# KiCad board vme-wren.kicad_pcb (continued)
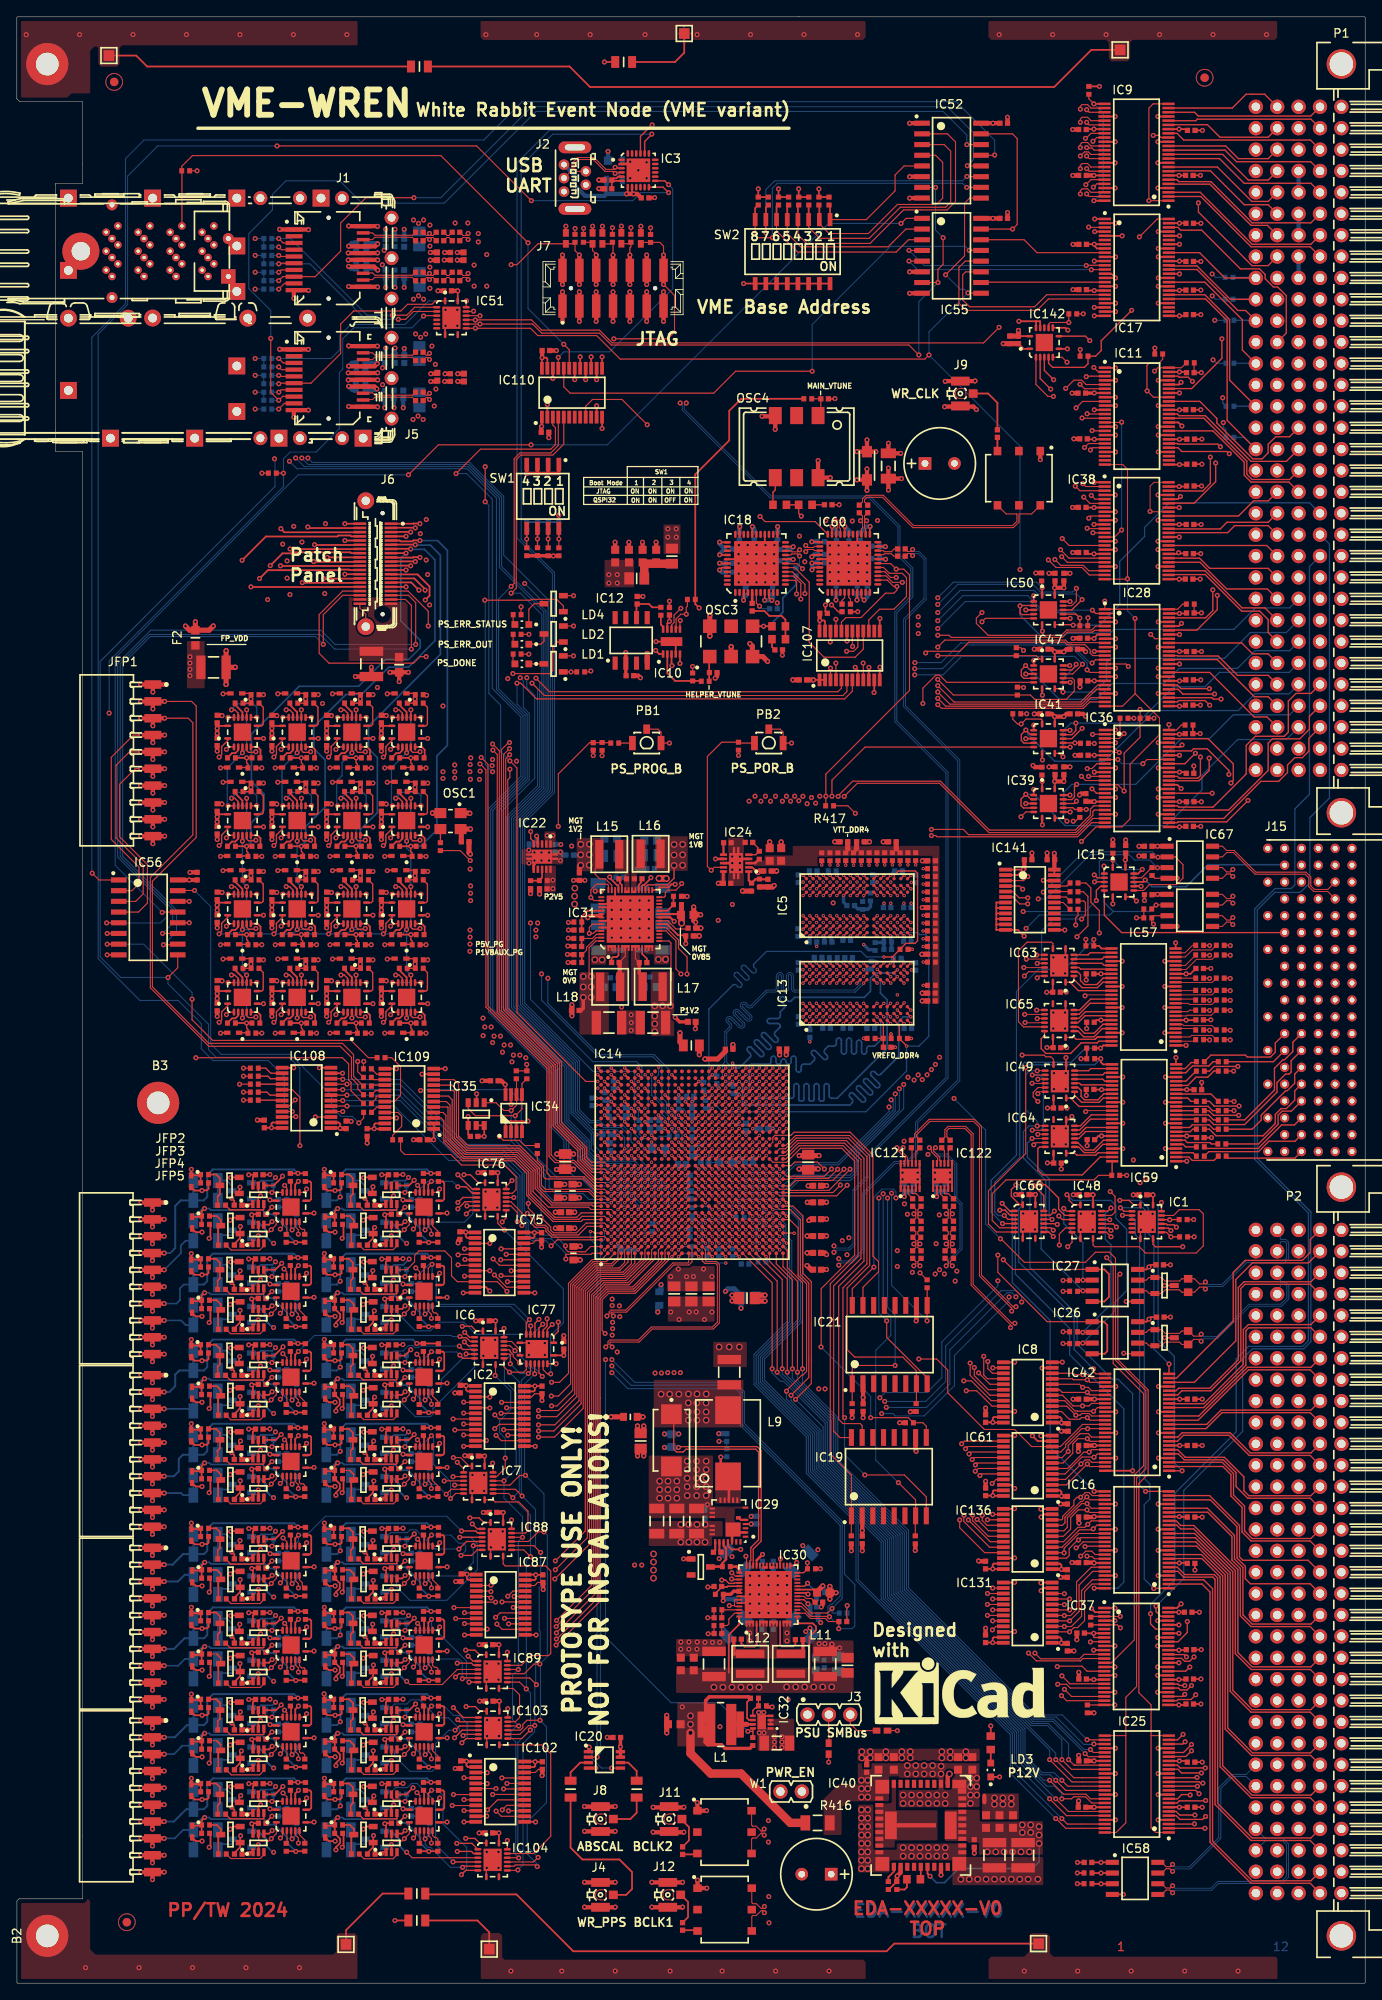
[diagram p0: board, top side]
## Library data of the parts (continued)
C117 = -: Datasheet: \\cern.ch\dfs\Applications\Altium\Datasheets\CAER_PANASONIC-OS-CON_SEPC.pdf; SMD: No; Val: 220uF; Library Ref: Capacitor - polarized; Library Path: SchLib\Capacitors.SchLib; Comment: 220uF; Component Kind: Standard; Component Type: Standard; Pin Count: 2; Footprint Path: PcbLib\Capacitors THD.PcbLib; Footprint Ref: CAPPR350-850X700_a; Status: None; Voltage: 16V; Tolerance: ±20%; Part Description: ESR 0R013, Radial Lead, Conductive Polymer Aluminum Solid Capacitor, (OS-CON, SEPC Series); Manufacturer: PANASONIC; Manufacturer Part Number: 16SEPC220MD; Case: LS3.5 D8 x H7; Mounted: Yes; Socket: No; Sense: No; ComponentHeight: 7mm; HelpURL: \\cern.ch\dfs\Applications\Altium\Datasheets\CAER_PANASONIC-OS-CON_SEPC.pdf; Author: CERN DEM BC; CreateDate: 02/08/21 00:00:00; LatestRevisionDate: 02/08/21 00:00:00; Database Table Name: Capacitors; Library Name: Capacitors THD; Footprint Library: Capacitors THD; License: CC-BY-SA 4.0
C120 C270 C271 C282 C289 C298-C300 = -: Datasheet: \\cern.ch\dfs\Applications\Altium\Datasheets\CC0402_X7R_TDK_C.pdf; Author: CERN DEM JLC; Case: 0402; Comment: 220nF; Component Kind: Standard; Component Type: Standard; CreateDate: 10/25/12 00:00:00; Database Table Name: Capacitors; Footprint Library: Capacitors SMD; Footprint Path: PcbLib\Capacitors SMD.PcbLib; Footprint Ref: CAPC1005X55N; HelpURL: \\cern.ch\dfs\Applications\Altium\Datasheets\CC0402_X7R_TDK_C.pdf; LatestRevisionDate: 10/25/12 00:00:00; Library Name: Capacitors SMD; Library Path: SchLib\Capacitors.SchLib; Library Ref: Capacitor - non polarized; License: CC-BY-SA 4.0; Manufacturer: GENERIC; Manufacturer1 ComponentHeight: 0.55mm; Manufacturer1 Example: TDK; Manufacturer1 Part Number: C1005X7R1C224K050; Mounted: Yes; Part Description: SMD Multilayer Chip Ceramic Capacitor; Pin Count: 2; SMD: Yes; Sense: No; Socket: No; Status: Preferred; TC: X7R; Tolerance: ±10%; Val: 220nF; Voltage: 16V
C126 = -: Datasheet: \\cern.ch\dfs\Applications\Altium\Datasheets\CC0402_C0G_KEMET_(Commercial Grade).pdf; Author: CERN DEM JLC; Case: 0402; Comment: 15pF; Component Kind: Standard; Component Type: Standard; CreateDate: 12/03/07 00:00:00; Database Table Name: Capacitors; Footprint Library: Capacitors SMD; Footprint Path: PcbLib\Capacitors SMD.PcbLib; Footprint Ref: CAPC1005X55N; HelpURL: \\cern.ch\dfs\Applications\Altium\Datasheets\CC0402_C0G_KEMET_(Commercial Grade).pdf; LatestRevisionDate: 04/22/15 00:00:00; Library Name: Capacitors SMD; Library Path: SchLib\Capacitors.SchLib; Library Ref: Capacitor - non polarized; License: CC-BY-SA 4.0; Manufacturer: GENERIC; Manufacturer1 ComponentHeight: 0.55mm; Manufacturer1 Example: KEMET; Manufacturer1 Part Number: C0402C150J5GACTU; Mounted: Yes; Part Description: SMD Multilayer Chip Ceramic Capacitor; Pin Count: 2; SMD: Yes; Sense: No; Socket: No; Status: Preferred; TC: C0G/NP0; Tolerance: ±5%; Val: 15pF; Voltage: 50V
C154 C284 C312 C315 = -: Datasheet: \\cern.ch\dfs\Applications\Altium\Datasheets\CC1210_MURATA_GRM32ER60J227ME05L.pdf; Author: CERN DEM JLC; Case: 1210; Comment: 220uF; Component Kind: Standard; Component Type: Standard; CreateDate: 11/19/18 00:00:00; Database Table Name: Capacitors; Footprint Library: Capacitors SMD; Footprint Path: PcbLib\Capacitors SMD.PcbLib; Footprint Ref: CAPC3225X280N; HelpURL: \\cern.ch\dfs\Applications\Altium\Datasheets\CC1210_MURATA_GRM32ER60J227ME05L.pdf; LatestRevisionDate: 11/19/18 00:00:00; Library Name: Capacitors SMD; Library Path: SchLib\Capacitors.SchLib; Library Ref: Capacitor - non polarized; License: CC-BY-SA 4.0; Manufacturer: GENERIC; Manufacturer1 ComponentHeight: 2.8mm; Manufacturer1 Example: MURATA; Manufacturer1 Part Number: GRM32ER60J227ME05L; Mounted: Yes; Part Description: SMD Multilayer Chip Ceramic Capacitor; Pin Count: 2; SMD: Yes; Sense: No; Socket: No; Status: Preferred; TC: X5R; Tolerance: ±20%; Val: 220uF; Voltage: 6.3V
C164 C190 C210 C381 C383 C385 C387 C397 C403 C413 C419 C425 C435 C441 C447 C453 C463 C497 C503 C509 C518 C520 C522 C524 C528 C530 C532 C534 C538 C540 C542 C544 = -: Datasheet: \\cern.ch\dfs\Applications\Altium\Datasheets\CC0402_X5R_TDK_C.pdf; TC: X5R; SMD: Yes; Val: 4.7uF; Library Ref: Capacitor - non polarized; Library Path: SchLib\Capacitors.SchLib; Comment: 4.7uF; Component Kind: Standard; Component Type: Standard; Pin Count: 2; Footprint Path: PcbLib\Capacitors SMD.PcbLib; Footprint Ref: CAPC1005X55N; Status: Preferred; Voltage: 6.3V; Tolerance: ±20%; Part Description: SMD Multilayer Chip Ceramic Capacitor; Manufacturer: GENERIC; Case: 0402; Mounted: Yes; Socket: No; Sense: No; Manufacturer1 Example: TDK; Manufacturer1 Part Number: C1005X5R0J475M050; Manufacturer1 ComponentHeight: 0.65mm; HelpURL: \\cern.ch\dfs\Applications\Altium\Datasheets\CC0402_X5R_TDK_C.pdf; Author: CERN DEM JLC; CreateDate: 03/03/15 00:00:00; LatestRevisionDate: 03/03/15 00:00:00; Database Table Name: Capacitors; Library Name: Capacitors SMD; Footprint Library: Capacitors SMD; License: CC-BY-SA 4.0
C180 C181 C184 C185 C200 C201 C204 C205 = -: Datasheet: \\cern.ch\dfs\Applications\Altium\Datasheets\CC0402_X7R_PHYCOMP.pdf; Author: CERN DEM JLC; Case: 0402; Comment: 68nF; Component Kind: Standard; Component Type: Standard; CreateDate: 12/03/07 00:00:00; Database Table Name: Capacitors; Footprint Library: Capacitors SMD; Footprint Path: PcbLib\Capacitors SMD.PcbLib; Footprint Ref: CAPC1005X55N; HelpURL: \\cern.ch\dfs\Applications\Altium\Datasheets\CC0402_X7R_PHYCOMP.pdf; LatestRevisionDate: 12/03/07 00:00:00; Library Name: Capacitors SMD; Library Path: SchLib\Capacitors.SchLib; Library Ref: Capacitor - non polarized; License: CC-BY-SA 4.0; Manufacturer: GENERIC; Manufacturer1 ComponentHeight: 0.55mm; Manufacturer1 Example: PHYCOMP; Manufacturer1 Part Number: 223878715647; Mounted: Yes; Part Description: SMD Multilayer Chip Ceramic Capacitor; Pin Count: 2; SMD: Yes; Sense: No; Socket: No; Status: Not Recommended; TC: X7R; Tolerance: ±10%; Val: 68nF; Voltage: 16V
C188 C193 C196 C197 C320-C322 = -: Datasheet: \\cern.ch\dfs\Applications\Altium\Datasheets\CC0603_X5R_TDK_C.pdf; TC: X5R; SMD: Yes; Val: 22uF; Library Ref: Capacitor - non polarized; Library Path: SchLib\Capacitors.SchLib; Comment: 22uF; Component Kind: Standard; Component Type: Standard; Pin Count: 2; Footprint Path: PcbLib\Capacitors SMD.PcbLib; Footprint Ref: CAPC1608X90N; Status: None; Voltage: 10V; Tolerance: ±20%; Part Description: SMD Multilayer Chip Ceramic Capacitor; Manufacturer: GENERIC; Case: 0603; Mounted: Yes; Socket: No; Sense: No; Manufacturer1 Example: TDK; Manufacturer1 Part Number: C1608X5R1A226M080; Manufacturer1 ComponentHeight: 0.9mm; HelpURL: \\cern.ch\dfs\Applications\Altium\Datasheets\CC0603_X5R_TDK_C.pdf; Author: CERN DEM BC; CreateDate: 12/03/20 00:00:00; LatestRevisionDate: 12/03/20 00:00:00; Database Table Name: Capacitors; Library Name: Capacitors SMD; Footprint Library: Capacitors SMD; License: CC-BY-SA 4.0
C206 = -: Datasheet: \\cern.ch\dfs\Applications\Altium\Datasheets\CAER_PANASONIC-OS-CON_SEPC.pdf; Description: 220uF; SMD: No; Library Ref: Capacitor - polarized; Library Path: SchLib\Capacitors.SchLib; Comment: 220uF; Component Kind: Standard; Component Type: Standard; Pin Count: 2; Footprint Path: PcbLib\Capacitors THD.PcbLib; Footprint Ref: CAPPR350-850X700_a; Status: None; Voltage: 16V; Tolerance: ±20%; Part Description: ESR 0R013, Radial Lead, Conductive Polymer Aluminum Solid Capacitor, (OS-CON, SEPC Series); Manufacturer: PANASONIC; Manufacturer Part Number: 16SEPC220MD; Case: LS3.5 D8 x H7; Mounted: Yes; Socket: No; Sense: No; ComponentHeight: 7mm; HelpURL: \\cern.ch\dfs\Applications\Altium\Datasheets\CAER_PANASONIC-OS-CON_SEPC.pdf; Author: CERN DEM BC; CreateDate: 02/08/21 00:00:00; LatestRevisionDate: 02/08/21 00:00:00; Database Table Name: Capacitors; Library Name: Capacitors THD; Footprint Library: Capacitors THD; License: CC-BY-SA 4.0
C211 C274 C323 C490 = -: Datasheet: \\cern.ch\dfs\Applications\Altium\Datasheets\CC0402_X5R_TDK_C.pdf; TC: X5R; SMD: Yes; Val: 1uF; Library Ref: Capacitor - non polarized; Library Path: SchLib\Capacitors.SchLib; Comment: 1uF; Component Kind: Standard; Component Type: Standard; Pin Count: 2; Footprint Path: PcbLib\Capacitors SMD.PcbLib; Footprint Ref: CAPC1005X55N; Status: Preferred; Voltage: 25V; Tolerance: ±10%; Part Description: SMD Multilayer Chip Ceramic Capacitor; Manufacturer: GENERIC; Case: 0402; Mounted: Yes; Socket: No; Sense: No; Manufacturer1 Example: TDK; Manufacturer1 Part Number: C1005X5R1E105K050; Manufacturer1 ComponentHeight: 0.55mm; HelpURL: \\cern.ch\dfs\Applications\Altium\Datasheets\CC0402_X5R_TDK_C.pdf; Author: CERN DEM BC; CreateDate: 02/17/20 00:00:00; LatestRevisionDate: 02/17/20 00:00:00; Database Table Name: Capacitors; Library Name: Capacitors SMD; Footprint Library: Capacitors SMD; License: CC-BY-SA 4.0
C212 C319 C369 C545 = -: Datasheet: \\cern.ch\dfs\Applications\Altium\Datasheets\CC1210_MURATA_GRM32ER60J227ME05L.pdf; TC: X5R; SMD: Yes; Val: 220uF; Library Ref: Capacitor - non polarized; Library Path: SchLib\Capacitors.SchLib; Comment: 220uF; Component Kind: Standard; Component Type: Standard; Pin Count: 2; Footprint Path: PcbLib\Capacitors SMD.PcbLib; Footprint Ref: CAPC3225X280N; Status: Preferred; Voltage: 6.3V; Tolerance: ±20%; Part Description: SMD Multilayer Chip Ceramic Capacitor; Manufacturer: GENERIC; Case: 1210; Mounted: Yes; Socket: No; Sense: No; Manufacturer1 Example: MURATA; Manufacturer1 Part Number: GRM32ER60J227ME05L; Manufacturer1 ComponentHeight: 2.8mm; HelpURL: \\cern.ch\dfs\Applications\Altium\Datasheets\CC1210_MURATA_GRM32ER60J227ME05L.pdf; Author: CERN DEM JLC; CreateDate: 11/19/18 00:00:00; LatestRevisionDate: 11/19/18 00:00:00; Database Table Name: Capacitors; Library Name: Capacitors SMD; Footprint Library: Capacitors SMD; License: CC-BY-SA 4.0
C231 C276 C285-C288 C290 C311 C314 C317 = -: Datasheet: \\cern.ch\dfs\Applications\Altium\Datasheets\CC0402_X5R_TDK_C.pdf; Author: CERN DEM BC; Case: 0402; Comment: 2.2uF; Component Kind: Standard; Component Type: Standard; CreateDate: 02/08/21 00:00:00; Database Table Name: Capacitors; Footprint Library: Capacitors SMD; Footprint Path: PcbLib\Capacitors SMD.PcbLib; Footprint Ref: CAPC1005X55N; HelpURL: \\cern.ch\dfs\Applications\Altium\Datasheets\CC0402_X5R_TDK_C.pdf; LatestRevisionDate: 02/08/21 00:00:00; Library Name: Capacitors SMD; Library Path: SchLib\Capacitors.SchLib; Library Ref: Capacitor - non polarized; License: CC-BY-SA 4.0; Manufacturer: GENERIC; Manufacturer1 ComponentHeight: 0.55mm; Manufacturer1 Example: TDK; Manufacturer1 Part Number: C1005X5R1C225K050; Mounted: Yes; Part Description: SMD Multilayer Chip Ceramic Capacitor; Pin Count: 2; SMD: Yes; Sense: No; Socket: No; Status: Preferred; TC: X5R; Tolerance: ±10%; Val: 2.2uF; Voltage: 16V
C260 = -: Datasheet: \\cern.ch\dfs\Applications\Altium\Datasheets\CC0402_C0G_KEMET_(Commercial Grade).pdf; Author: CERN DEM JLC; Case: 0402; Comment: 100pF; Component Kind: Standard; Component Type: Standard; CreateDate: 12/03/07 00:00:00; Database Table Name: Capacitors; Footprint Library: Capacitors SMD; Footprint Path: PcbLib\Capacitors SMD.PcbLib; Footprint Ref: CAPC1005X55N; HelpURL: \\cern.ch\dfs\Applications\Altium\Datasheets\CC0402_C0G_KEMET_(Commercial Grade).pdf; LatestRevisionDate: 04/22/15 00:00:00; Library Name: Capacitors SMD; Library Path: SchLib\Capacitors.SchLib; Library Ref: Capacitor - non polarized; License: CC-BY-SA 4.0; Manufacturer: GENERIC; Manufacturer1 ComponentHeight: 0.55mm; Manufacturer1 Example: KEMET; Manufacturer1 Part Number: C0402C101J5GACTU; Mounted: Yes; Part Description: SMD Multilayer Chip Ceramic Capacitor; Pin Count: 2; SMD: Yes; Sense: No; Socket: No; Status: Preferred; TC: C0G/NP0; Tolerance: ±5%; Val: 100pF; Voltage: 50V
C273 = -: Datasheet: \\cern.ch\dfs\Applications\Altium\Datasheets\CAEM_PANASONIC_EEFGX.pdf; Author: CERN DEM MR; Comment: 470uF; Component Kind: Standard; Component Type: Standard; ComponentHeight: 2mm; CreateDate: 05/26/16 00:00:00; Database Table Name: Capacitors; Footprint Library: Capacitors SMD; Footprint Path: PcbLib\Capacitors SMD.PcbLib; Footprint Ref: CAPMP7343X200N; HelpURL: \\cern.ch\dfs\Applications\Altium\Datasheets\CAEM_PANASONIC_EEFGX.pdf; LatestRevisionDate: 03/14/17 00:00:00; Library Name: Capacitors SMD; Library Path: SchLib\Capacitors.SchLib; Library Ref: Capacitor - polarized; License: CC-BY-SA 4.0; Manufacturer: PANASONIC; Manufacturer Part Number: EEFGX0D471R; Mounted: Yes; Part Description: ESR 0R003 Polymer Aluminum Electrolytic Capacitor; Pin Count: 2; SMD: Yes; Sense: No; Socket: No; Status: None; Tolerance: ±20%; Val: 470uF; Voltage: 2V
C332 C334 C336 C338 = -: Datasheet: \\cern.ch\dfs\Applications\Altium\Datasheets\CC1206_X5R_TDK_C.pdf; Author: CERN DEM WB; Case: 1206; Comment: 22uF; Component Kind: Standard; Component Type: Standard; CreateDate: 07/25/18 00:00:00; Database Table Name: Capacitors; Footprint Library: Capacitors SMD; Footprint Path: PcbLib\Capacitors SMD.PcbLib; Footprint Ref: CAPC3216X180N; HelpURL: \\cern.ch\dfs\Applications\Altium\Datasheets\CC1206_X5R_TDK_C.pdf; LatestRevisionDate: 07/25/18 00:00:00; Library Name: Capacitors SMD; Library Path: SchLib\Capacitors.SchLib; Library Ref: Capacitor - non polarized; License: CC-BY-SA 4.0; Manufacturer: GENERIC; Manufacturer1 ComponentHeight: 1.8mm; Manufacturer1 Example: TDK; Manufacturer1 Part Number: C3216X5R1E226M160; Mounted: Yes; Part Description: SMD Multilayer Chip Ceramic Capacitor; Pin Count: 2; SMD: Yes; Sense: No; Socket: No; Status: None; TC: X5R; Tolerance: ±20%; Val: 22uF; Voltage: 25V
Cage1 = -: Datasheet: \\cern.ch\dfs\Applications\Altium\Datasheets\TYCO_1761014-3.pdf; Description: SFP; SMD: No; Family: SFP; Library Ref: SFP 1x2 Cage (30Pins); Library Path: SchLib\Connectors.SchLib; Component Kind: Standard; Component Type: Standard; Pin Count: 30; Footprint Path: PcbLib\TYCO THD.PcbLib; Mounted: Yes; Socket: No; PressFit: Yes; Sense: No; Status: None; Part Description: 1x2 Press Fit SFP Ganged (Single Row) Cage; Manufacturer: TYCO ELECTRONICS; Manufacturer Part Number: 1761014-3; ComponentHeight: 9.7mm; HelpURL: \\cern.ch\dfs\Applications\Altium\Datasheets\TYCO_1761014-3.pdf; Author: CERN DEM JLC; CreateDate: 10/23/17 00:00:00; LatestRevisionDate: 10/23/17 00:00:00; Database Table Name: Connectors; Library Name: TYCO; Footprint Library: TYCO THD; License: CC-BY-SA 4.0
Cage3 = -: Datasheet: \\cern.ch\dfs\Applications\Altium\Datasheets\MOLEX_74737-0009.pdf; Description: SFP+; Library Ref: SFP+ 1x1 Cage (20Pins); Library Path: SchLib\Connectors.SchLib; Component Kind: Standard; Component Type: Standard; Pin Count: 20; Footprint Path: PcbLib\MOLEX THD.PcbLib; Family: SFP+; Mounted: Yes; Socket: No; SMD: No; PressFit: Yes; Sense: No; Status: None; Part Description: 1x1 Press Fit Cage for Use with SFP Connector (Small Form-factor Pluggable); Manufacturer: MOLEX; Manufacturer Part Number: 74737-0009; ComponentHeight: 9.7mm; HelpURL: \\cern.ch\dfs\Applications\Altium\Datasheets\MOLEX_74737-0009.pdf; Author: CERN DEM MR; CreateDate: 01/26/16 00:00:00; LatestRevisionDate: 01/26/16 00:00:00; Database Table Name: Connectors; Library Name: MOLEX; Footprint Library: MOLEX THD; License: CC-BY-SA 4.0
D1 D2 D4-D8 = -: Datasheet: \\cern.ch\dfs\Applications\Altium\Datasheets\0402ESDA-MLP.pdf; Author: CERN DEM MR; Bonding: No; Case: 0402; Component Kind: Standard; Component Type: Standard; ComponentHeight: 0.44mm; CreateDate: 11/22/19 00:00:00; Database Table Name: ICs And Semiconductors; Footprint Library: ICs And Semiconductors SMD; Footprint Path: PcbLib\ICs And Semiconductors SMD.PcbLib; Footprint Ref: EATON_0402ESDA-MLP; HelpURL: \\cern.ch\dfs\Applications\Altium\Datasheets\0402ESDA-MLP.pdf; LatestRevisionDate: 11/22/19 00:00:00; Library Name: Diodes; Library Path: SchLib\Diodes.SchLib; Library Ref: Diode TVS Bi-Directional; License: CC-BY-SA 4.0; Manufacturer: EATON; Mounted: Yes; PackageDescription: 0402, 2-Leads, Body 1.1mm L X 0.53mm W X 0.44mm H body, IPC Medium Density; Part Description: 0.05pF 8kV Bidirectional ESD Voltage Suppressor; Pin Count: 2; PressFit: No; SMD: Yes; Sense: No; Socket: No; Voltage: 8kV
D3 D9 D13 D14 D17 D18 D21 D22 D25 D26 D33 D34 D37 D38 D41 D42 D45 D46 D48 D49 D51 D52 D55 D56 D59 D60 D63 D64 D69 D70 D73-D106 = -: Datasheet: \\cern.ch\dfs\Applications\Altium\Datasheets\PESD3V3S1UB.pdf; SMD: Yes; Library Ref: Diode ESD; Library Path: SchLib\Diodes.SchLib; Component Kind: Standard; Component Type: Standard; PackageDescription: Ultra Small Outline Diode Flat Lead (SOD-523), Body; 1.2mm L X 0.8mm W X 0.65mm H, IPC Medium Density; Voltage: 3V3; Power: 330W; Part Description: ESD protection diode (23kV); Manufacturer: NXP SEMICONDUCTORS; Pin Count: 2; Case: SOD523; Mounted: Yes; Socket: No; PressFit: No; Sense: No; Bonding: No; ComponentHeight: 0.65mm; Footprint Path: PcbLib\ICs And Semiconductors SMD.PcbLib; Footprint Ref: SODFL1608X65N; HelpURL: \\cern.ch\dfs\Applications\Altium\Datasheets\PESD3V3S1UB.pdf; Author: CERN DEM JLC; CreateDate: 11/29/12 00:00:00; LatestRevisionDate: 11/29/12 00:00:00; Database Table Name: ICs And Semiconductors; Library Name: Diodes; Footprint Library: ICs And Semiconductors SMD; License: CC-BY-SA 4.0
D10 = -: Datasheet: \\cern.ch\dfs\Applications\Altium\Datasheets\BZX84C3V3.pdf; Author: CERN DEM JLC; Bonding: No; Case: SOT23-3; Component Kind: Standard; Component Type: Standard; ComponentHeight: 1.3mm; CreateDate: 06/15/11 00:00:00; Database Table Name: ICs And Semiconductors; Footprint Library: ICs And Semiconductors SMD; Footprint Path: PcbLib\ICs And Semiconductors SMD.PcbLib; Footprint Ref: SOT95P240X130-3N; HelpURL: \\cern.ch\dfs\Applications\Altium\Datasheets\BZX84C3V3.pdf; LatestRevisionDate: 06/15/11 00:00:00; Library Name: Diodes; Library Path: SchLib\Diodes.SchLib; Library Ref: Diode Zener A1C3; License: CC-BY-SA 4.0; Manufacturer: FAIRCHILD SEMICONDUCTOR; Mounted: Yes; PackageDescription: SOT, 0.95mm Pitch; 3 Pin, 1.30mm W X 2.90mm L X 1.30mm H body, IPC Medium Density; Part Description: Zener Diode; Pin Count: 3; Power: 350mW; PressFit: No; SMD: Yes; Sense: No; Socket: No; Voltage: 3V3
D11 D12 D15 D16 D19 D20 D23 D24 D27 D28 D31 D32 D35 D36 D39 D40 D43 D44 D47 D50 D53 D54 D57 D58 D61 D62 D65-D68 D71 D72 = -: Datasheet: \\cern.ch\dfs\Applications\Altium\Datasheets\BAR66.pdf; Library Ref: Diode x2 A1C3_A3C2; Library Path: SchLib\Diodes.SchLib; Component Kind: Standard; Component Type: Standard; PackageDescription: SOT, 0.95mm Pitch; 3 Pin, 1.30mm W X 2.90mm L X 1.10mm H body, IPC Medium Density; Voltage: 150V; Power: 250mA; Part Description: Silicon PIN Diode Array (Series Connected); Manufacturer: INFINEON; Pin Count: 3; Case: SOT23-3; Mounted: Yes; Socket: No; SMD: Yes; PressFit: No; Sense: No; Bonding: No; ComponentHeight: 1.1mm; Footprint Path: PcbLib\ICs And Semiconductors SMD.PcbLib; Footprint Ref: SOT95P240X110-3N; HelpURL: \\cern.ch\dfs\Applications\Altium\Datasheets\BAR66.pdf; Author: CERN DEM JLC; CreateDate: 01/18/10 00:00:00; LatestRevisionDate: 10/05/10 00:00:00; Database Table Name: ICs And Semiconductors; Library Name: Diodes; Footprint Library: ICs And Semiconductors SMD; License: CC-BY-SA 4.0
D29 D30 = -: Datasheet: \\cern.ch\dfs\Applications\Altium\Datasheets\SM712.TCT.pdf; Library Ref: SM712; Library Path: SchLib\Diodes.SchLib; Component Kind: Standard; Component Type: Standard; PackageDescription: SOT, 0.95mm Pitch; 3 Pin, 1.30mm W X 2.92mm L X 1.12mm H body, IPC Medium Density; Voltage: 12V/-7V; Power: 400W; Part Description: Asymmetrical TVS Diode for Extended Common-Mode RS-485; Manufacturer: SEMTECH; Pin Count: 3; Case: SOT23-3; Mounted: Yes; Socket: No; SMD: Yes; PressFit: No; Sense: No; Bonding: No; ComponentHeight: 1.12mm; Footprint Path: PcbLib\ICs And Semiconductors SMD.PcbLib; Footprint Ref: SOT95P237X112-3N; HelpURL: \\cern.ch\dfs\Applications\Altium\Datasheets\SM712.TCT.pdf; Author: CERN DEM JLC; CreateDate: 09/03/14 00:00:00; LatestRevisionDate: 01/13/15 00:00:00; Database Table Name: ICs And Semiconductors; Library Name: Diodes; Footprint Library: ICs And Semiconductors SMD; License: CC-BY-SA 4.0
F1 F2 = -: Datasheet: \\cern.ch\dfs\Applications\Altium\Datasheets\FUSR_LITTELFUSE_Low-Rho.pdf; Description: 750mA-6V; Library Ref: Fuse; Library Path: SchLib\Fuses.SchLib; Comment: 750mA-6V; Component Kind: Standard; Component Type: Standard; Pin Count: 2; Footprint Path: PcbLib\Fuses.PcbLib; Footprint Ref: FUSR_LITTELFUSE_0603L; PackageDescription: Surface Mount POLY-FUSE® Resettable PTC, Low Rho Series; Family: Fuses Resettable; Mounted: Yes; Socket: No; SMD: Yes; PressFit: No; Sense: No; Part Description: POLYFUSE® Surface Mount Resettable PTC; Manufacturer: LITTELFUSE; Manufacturer Part Number: 0603L075SL; ComponentHeight: 0.75mm; HelpURL: \\cern.ch\dfs\Applications\Altium\Datasheets\FUSR_LITTELFUSE_Low-Rho.pdf; Author: CERN DEM BC; CreateDate: 01/05/21 00:00:00; LatestRevisionDate: 01/05/21 00:00:00; Database Table Name: Eletro-mechanical; Library Name: Fuses; Footprint Library: Fuses; License: CC-BY-SA 4.0
FTG1-FTG6 = -: Datasheet: Undefined; SMD: Yes; Library Ref: Fiducial Target; Library Path: SchLib\Pads.SchLib; Component Kind: Standard (No BOM); Component Type: Standard (No BOM); Pin Count: 1; Footprint Path: PcbLib\Pads.PcbLib; Footprint Ref: FIDUCIAL_TOP_C100-200; Family: Fiducial; Mounted: No; Socket: No; Sense: No; Status: None; Part Description: Round Fiducial Target, Top Layer, 1.0mm, Top Solder 2.0mm, Keepout =2.0mm; ComponentHeight: 0mm; HelpURL: Undefined; Author: CERN DEM JLC; CreateDate: 02/09/10 00:00:00; LatestRevisionDate: 04/04/12 00:00:00; PackageDescription: Round Fiducial Target, Top Layer, 1.0mm, Top Solder 2.0mm, Keepout =2.0mm; Database Table Name: Eletro-mechanical; Library Name: Pads; Footprint Library: Pads; License: CC-BY-SA 4.0
IC1 IC6 IC7 IC48 IC49 IC51 IC63-IC66 IC76 IC77 IC88 IC89 IC103 IC104 = -: Datasheet: \\cern.ch\dfs\Applications\Altium\Datasheets\SN74LV595ARGYR.pdf; Library Ref: 74595_a; Library Path: SchLib\Standard Logic.SchLib; Comment: SN74LV595ARGY; Component Kind: Standard; Component Type: Standard; Device: SN74LV595ARGY; PackageDescription: TEXAS Case Style RGY (R-PVQFN-N16), QFN, 0.50mm Pitch, Rect.; 16 Pin, 4.00mm L X 3.50mm W X 1mm H body (w/Thermal Tab 2.65 X 2.15mm); Part Description: 8-Bit Shift Register with 3-State Output Registers; Manufacturer: TEXAS INSTRUMENTS; Manufacturer Part Number: SN74LV595ARGY; Pin Count: 17; Case: QFN16; Mounted: Yes; Socket: No; SMD: Yes; PressFit: No; Sense: No; Bonding: No; ComponentHeight: 1mm; Footprint Path: PcbLib\ICs And Semiconductors SMD.PcbLib; Footprint Ref: TEXAS_RGY (R-PVQFN-N16); Author: CERN DEM MR; HelpURL: \\cern.ch\dfs\Applications\Altium\Datasheets\SN74LV595ARGYR.pdf; CreateDate: 10/10/17 00:00:00; LatestRevisionDate: 10/10/17 00:00:00; Database Table Name: ICs And Semiconductors; Library Name: Standard Logic; Footprint Library: ICs And Semiconductors SMD; License: CC-BY-SA 4.0
IC3 = -: Datasheet: \\cern.ch\dfs\Applications\Altium\Datasheets\CP2105-F01-GM.pdf; Author: CERN DEM MR; Bonding: No; Case: QFN24; Component Kind: Standard; Component Type: Standard; ComponentHeight: 0.8mm; CreateDate: 10/12/16 00:00:00; Database Table Name: ICs And Semiconductors; Footprint Library: ICs And Semiconductors SMD; Footprint Path: PcbLib\ICs And Semiconductors SMD.PcbLib; Footprint Ref: QFN50P400X400X80-25N-S280; HelpURL: \\cern.ch\dfs\Applications\Altium\Datasheets\CP2105-F01-GM.pdf; LatestRevisionDate: 10/12/16 00:00:00; Library Name: Analog & Interface; Library Path: SchLib\Analog & Interface.SchLib; License: CC-BY-SA 4.0; Manufacturer: SILICON LABS; Mounted: Yes; PackageDescription: QFN, 0.50mm Pitch, Square; 24 Pin, 4.00mm L X 4.00mm W X 0.80mm H body (w/Thermal Tab 2.80 X 2.80mm), IPC Medium Density; Part Description: Single-Chip USB to Dual UART Bridge; Pin Count: 25; PressFit: No; SMD: Yes; Sense: No; Socket: No
IC4 = -: Datasheet: \\cern.ch\dfs\Applications\Altium\Datasheets\PRTR5V0U2X.pdf; Author: CERN DEM JLC; Bonding: No; Case: SOT143B; Component Kind: Standard; Component Type: Standard; ComponentHeight: 1.1mm; CreateDate: 03/22/11 00:00:00; Database Table Name: ICs And Semiconductors; Footprint Library: ICs And Semiconductors SMD; Footprint Path: PcbLib\ICs And Semiconductors SMD.PcbLib; Footprint Ref: SOT190P230X110-4N; HelpURL: \\cern.ch\dfs\Applications\Altium\Datasheets\PRTR5V0U2X.pdf; LatestRevisionDate: 03/22/11 00:00:00; Library Name: Diodes; Library Path: SchLib\Diodes.SchLib; License: CC-BY-SA 4.0; Manufacturer: NXP SEMICONDUCTORS; Mounted: Yes; PackageDescription: SOT143B, SOT, 1.90mm Pitch; 4 Pin, 1.30mm W X 2.90mm L X 1.10mm H body, IPC Medium Density; Part Description: Ultra Low Capacitance (1pF) Double Rail-to-Rail ESD Protection Diode (8kV); Pin Count: 4; PressFit: No; SMD: Yes; Sense: No; Socket: No; Voltage: 5.5V
IC5 IC13 = -: Datasheet: \\cern.ch\dfs\Applications\Altium\Datasheets\MT40A512M16LY-075-E.pdf; SMD: Yes; Library Ref: MT40A512M16LY; Library Path: SchLib\Logic.SchLib; Component Kind: Standard; Component Type: Standard; PackageDescription: BGA, 0.80mm Pitch, Rect.; 96 Pin, 9 Columns X 16 Rows, Body 13.50mm X 7.50mm X 1.20mm H; Part Description: +1.2V, 8Gb (512 Meg x 16) Automotive DDR4 SDRAM; Manufacturer: MICRON TECHNOLOGY; Pin Count: 96; Case: BGA96; Mounted: Yes; Socket: No; PressFit: No; Sense: No; Bonding: No; ComponentHeight: 1.2mm; Footprint Path: PcbLib\ICs And Semiconductors SMD_BGA.PcbLib; Footprint Ref: BGA96C80P9X16_750X1350X120; HelpURL: \\cern.ch\dfs\Applications\Altium\Datasheets\MT40A512M16LY-075-E.pdf; Author: CERN DEM WB; CreateDate: 07/26/19 00:00:00; LatestRevisionDate: 07/26/19 00:00:00; Database Table Name: ICs And Semiconductors; Library Name: Logic; Footprint Library: ICs And Semiconductors SMD_BGA; License: CC-BY-SA 4.0
IC9 IC11 IC28 IC36-IC38 = -: Datasheet: \\cern.ch\dfs\Applications\Altium\Datasheets\SN74VMEH22501DGGR.pdf; SMD: Yes; Library Ref: 74VMEH22501; Library Path: SchLib\Standard Logic.SchLib; Component Kind: Standard; Component Type: Standard; PackageDescription: SOP, 48-Leads, Body 12.6x6.2mm (max), Pitch 0.50mm, IPC Medium Density; Part Description: 8-Bit Universal Bus Transceiver and Two 1-Bit Bus Transceivers with 3-State Outputs; Manufacturer: TEXAS INSTRUMENTS; Pin Count: 48; Case: TSSOP48; Mounted: Yes; Socket: No; PressFit: No; Sense: No; Bonding: No; ComponentHeight: 1.2mm; Footprint Path: PcbLib\ICs And Semiconductors SMD.PcbLib; Footprint Ref: SOP50P810X120-48N; Author: CERN DEM JLC; HelpURL: \\cern.ch\dfs\Applications\Altium\Datasheets\SN74VMEH22501DGGR.pdf; CreateDate: 10/27/09 00:00:00; LatestRevisionDate: 10/27/09 00:00:00; Database Table Name: ICs And Semiconductors; Library Name: Standard Logic; Footprint Library: ICs And Semiconductors SMD; License: CC-BY-SA 4.0
IC10 = -: Datasheet: \\cern.ch\dfs\Applications\Altium\Datasheets\DAC8562.pdf; Author: CERN DEM HF; Bonding: No; Case: SON10; Component Kind: Standard; Component Type: Standard; ComponentHeight: 0.8mm; CreateDate: 03/29/23 00:00:00; Database Table Name: ICs And Semiconductors; Footprint Library: ICs And Semiconductors SMD; Footprint Path: PcbLib\ICs And Semiconductors SMD.PcbLib; Footprint Ref: TEXAS_DSC (S-PWSON-N10); HelpURL: \\cern.ch\dfs\Applications\Altium\Datasheets\DAC8562.pdf; LatestRevisionDate: 03/29/23 00:00:00; Library Name: Analog & Interface; Library Path: SchLib\Analog & Interface.SchLib; Library Ref: DAC8562; License: CC-BY-SA 4.0; Manufacturer: TEXAS INSTRUMENTS; Mounted: Yes; PackageDescription: TEXAS Case Style DRC (Formerly DRC (S-PWSON-N10)), SON, 0.50mm Pitch, 10 Pin, 3.00mm W  X 3.00mm L X 0.80mm H body, (w/Thermal Tab 1.05 X 2.55 mm); Part Description: 16-Bit, Low-Power, Buffered, Voltage-Output DACs With 2.5-V, 4-PPM/°C Internal Reference; Pin Count: 11; PressFit: No; SMD: Yes; Sense: No; Socket: No
